# Altium PCB Deneigus.PcbDoc
Units mil, origin at the board's own origin, x right, y up, seen from the top; angles counter-clockwise.
Board outline 14075 x 10200 mil, 4 copper layers (Top, Ground Plane, Power Plane, Bottom), stack 71.26 mil thick; 170 components, 164 nets, 840 pads, 0 vias.
Unrouted connection lines stored in the file: 403.
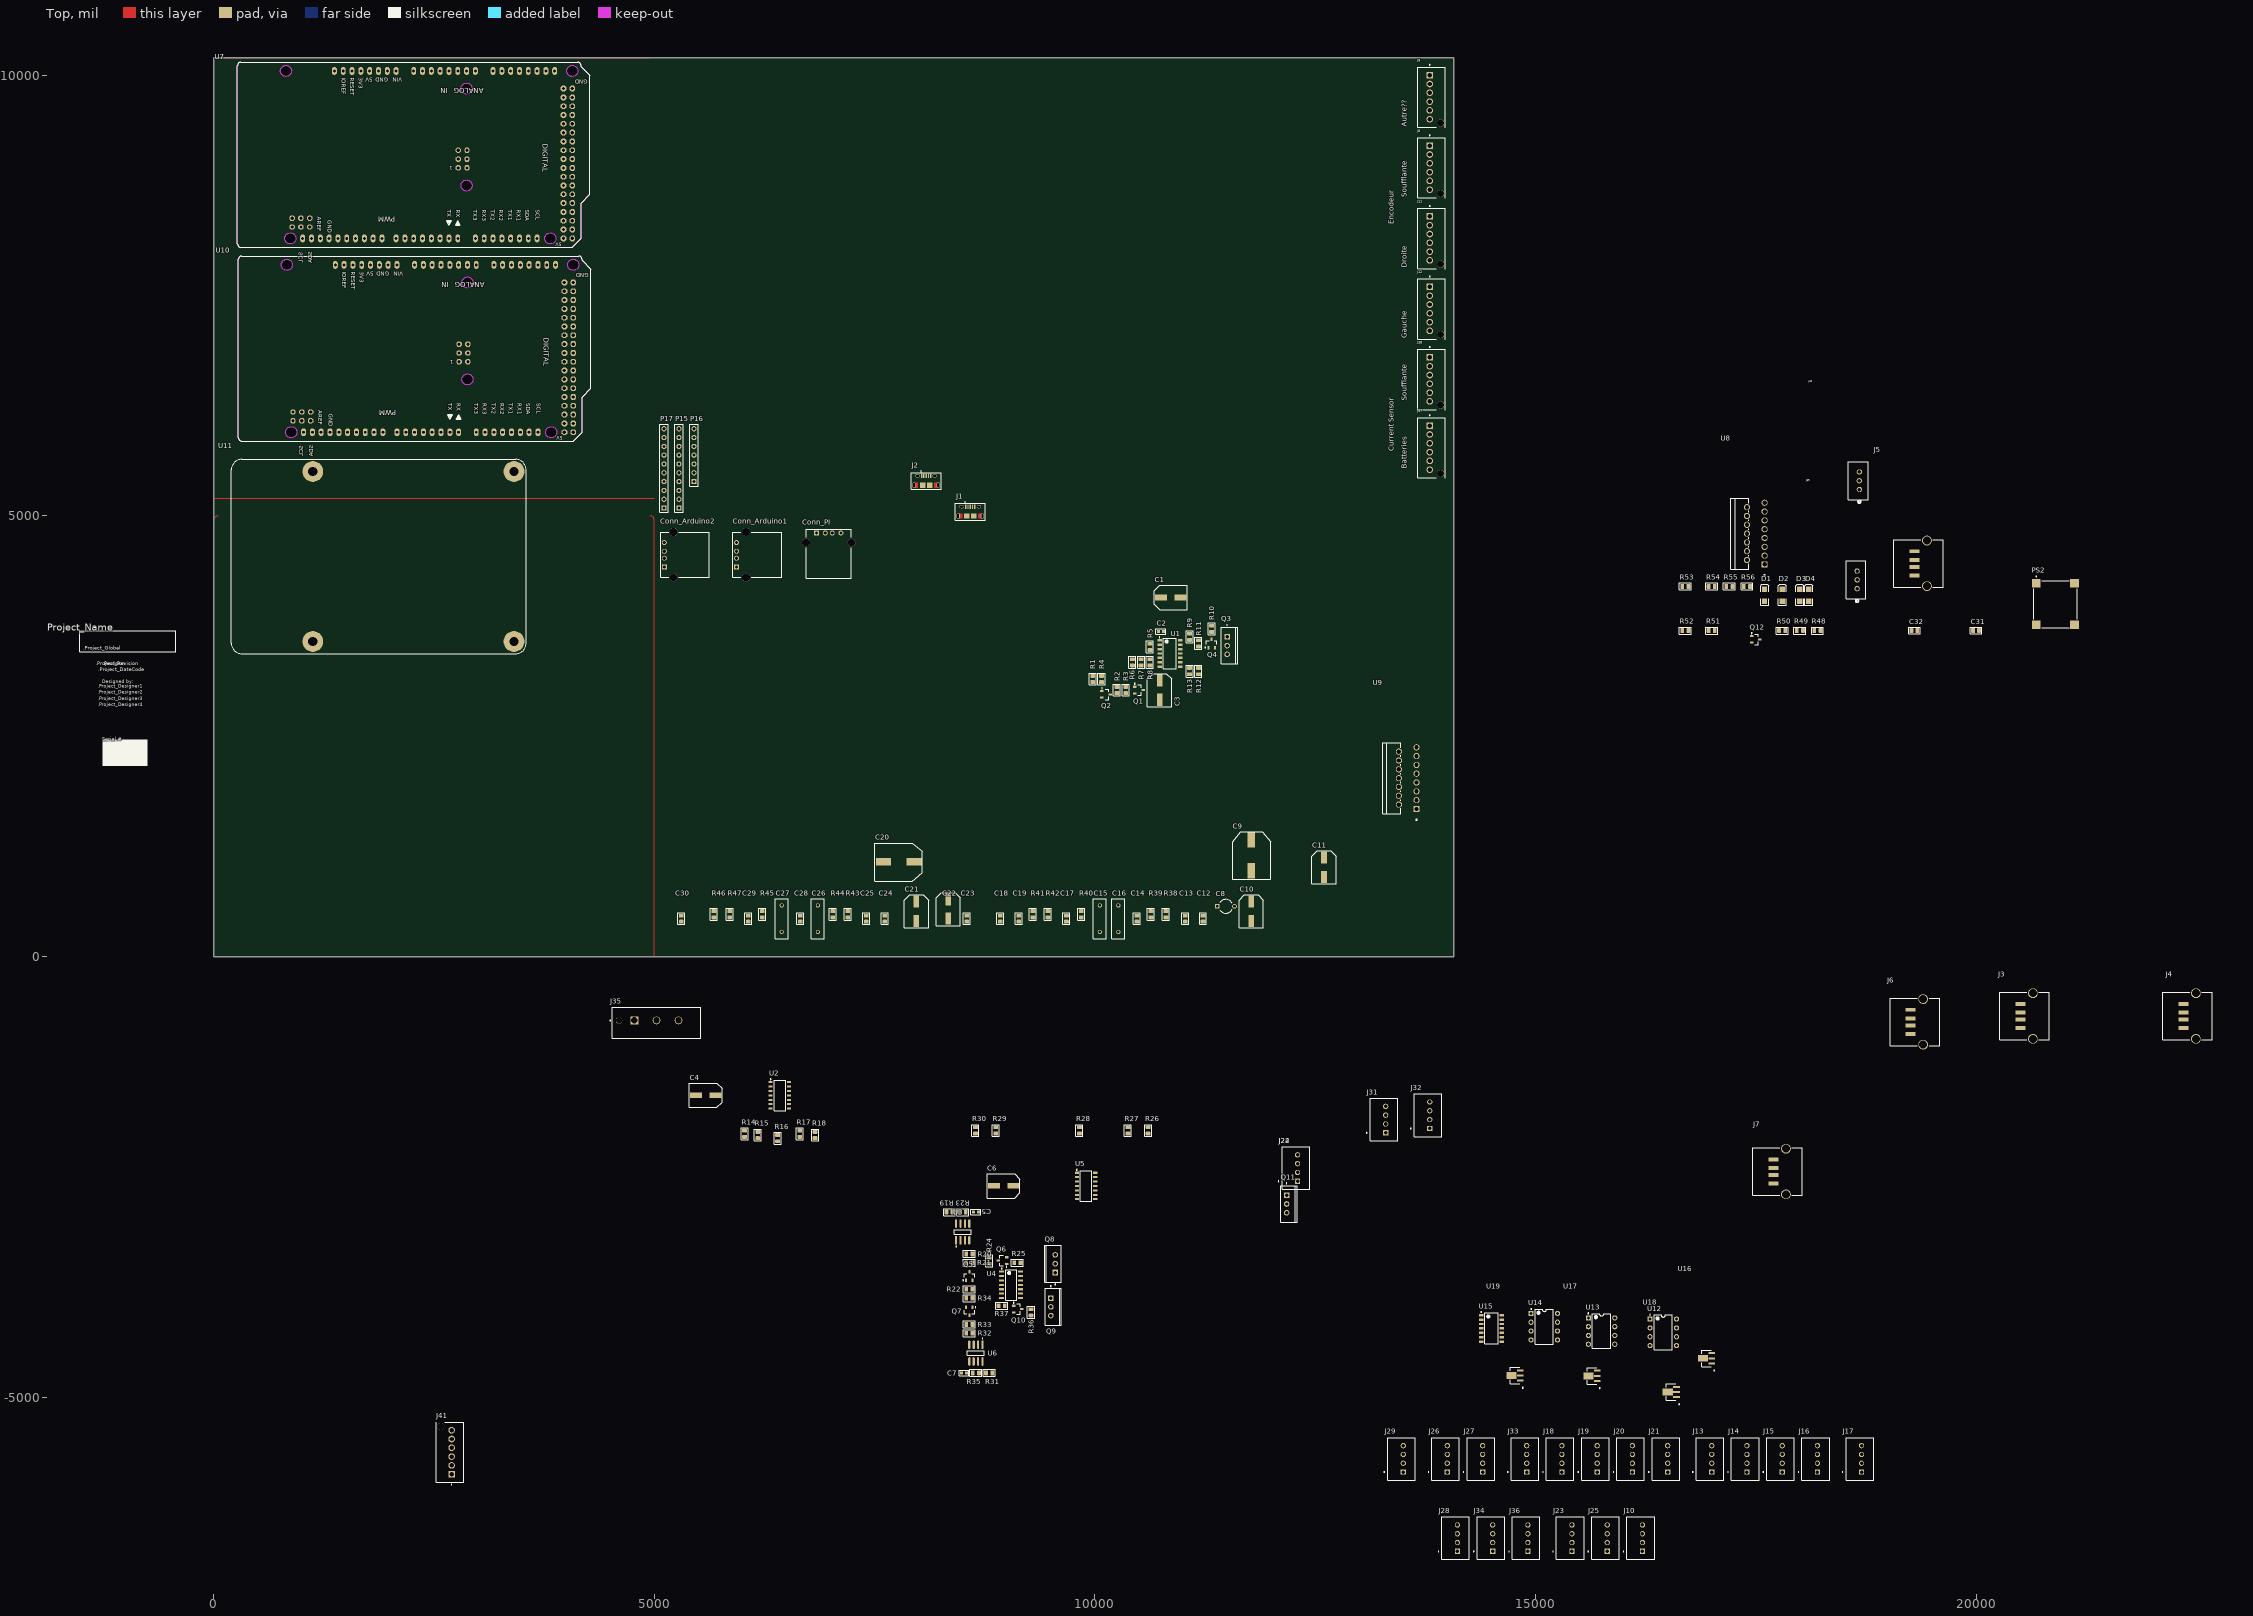
[diagram p0: Top view]
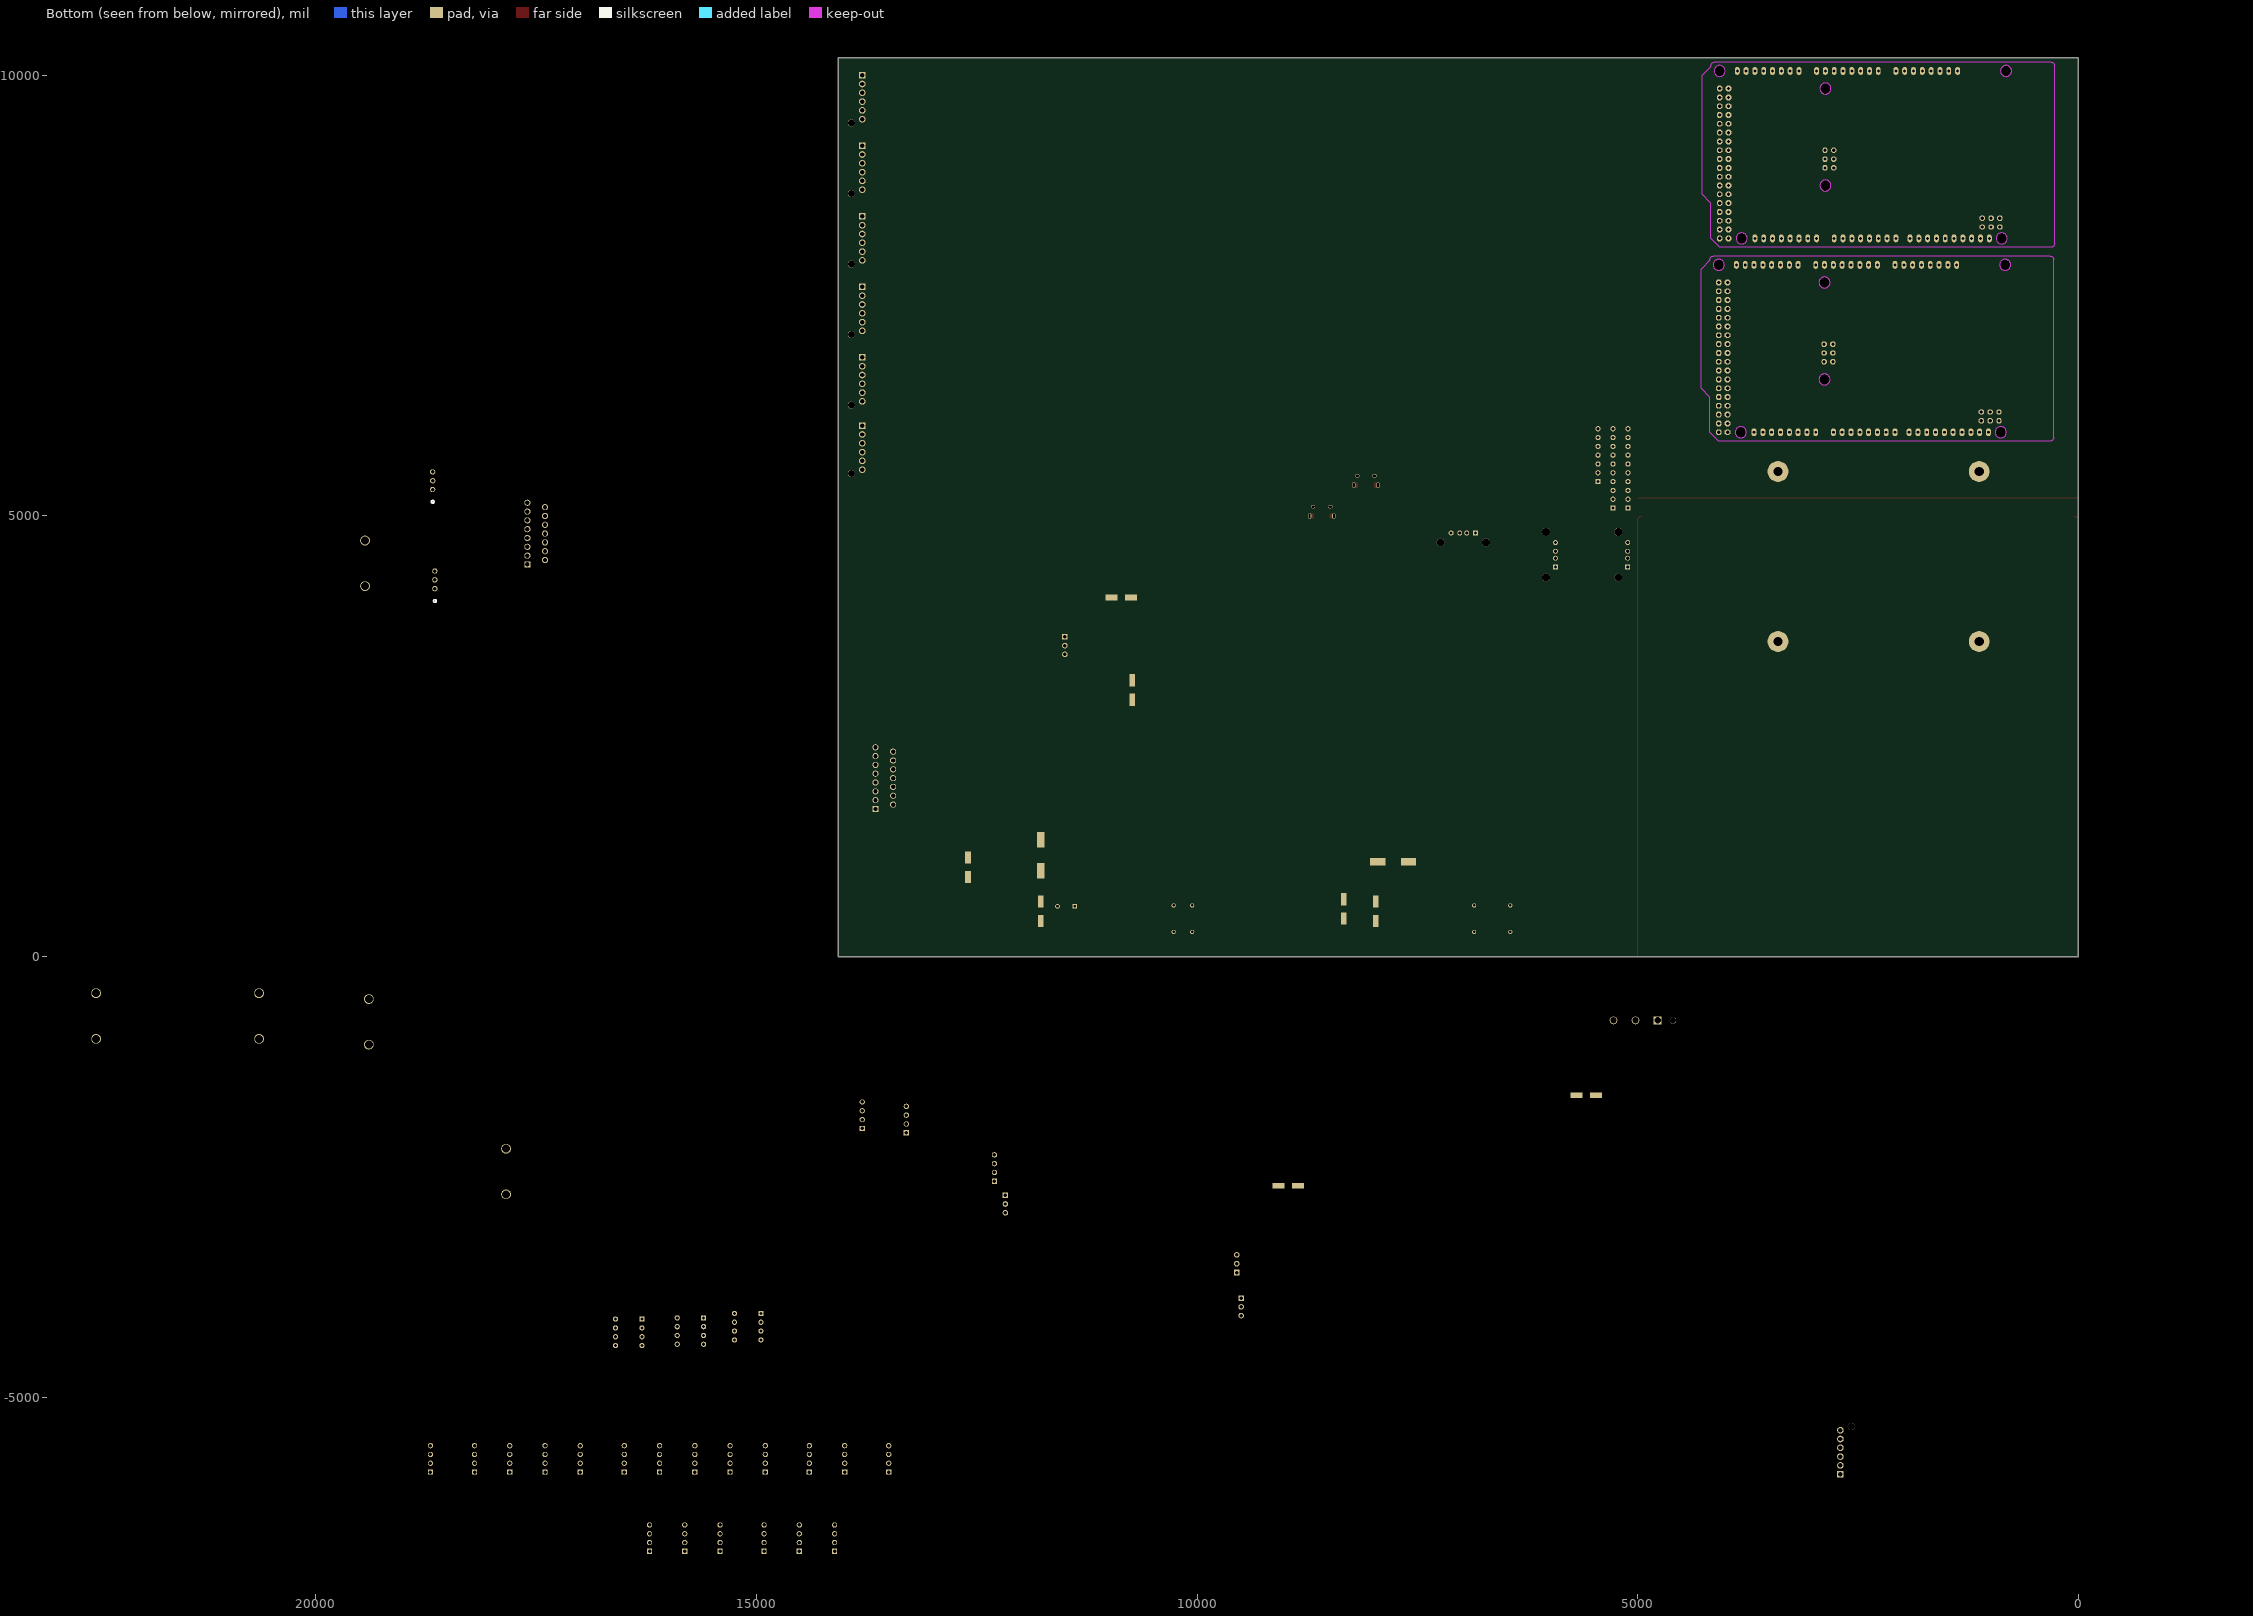
[diagram p1: Bottom view, seen from below]
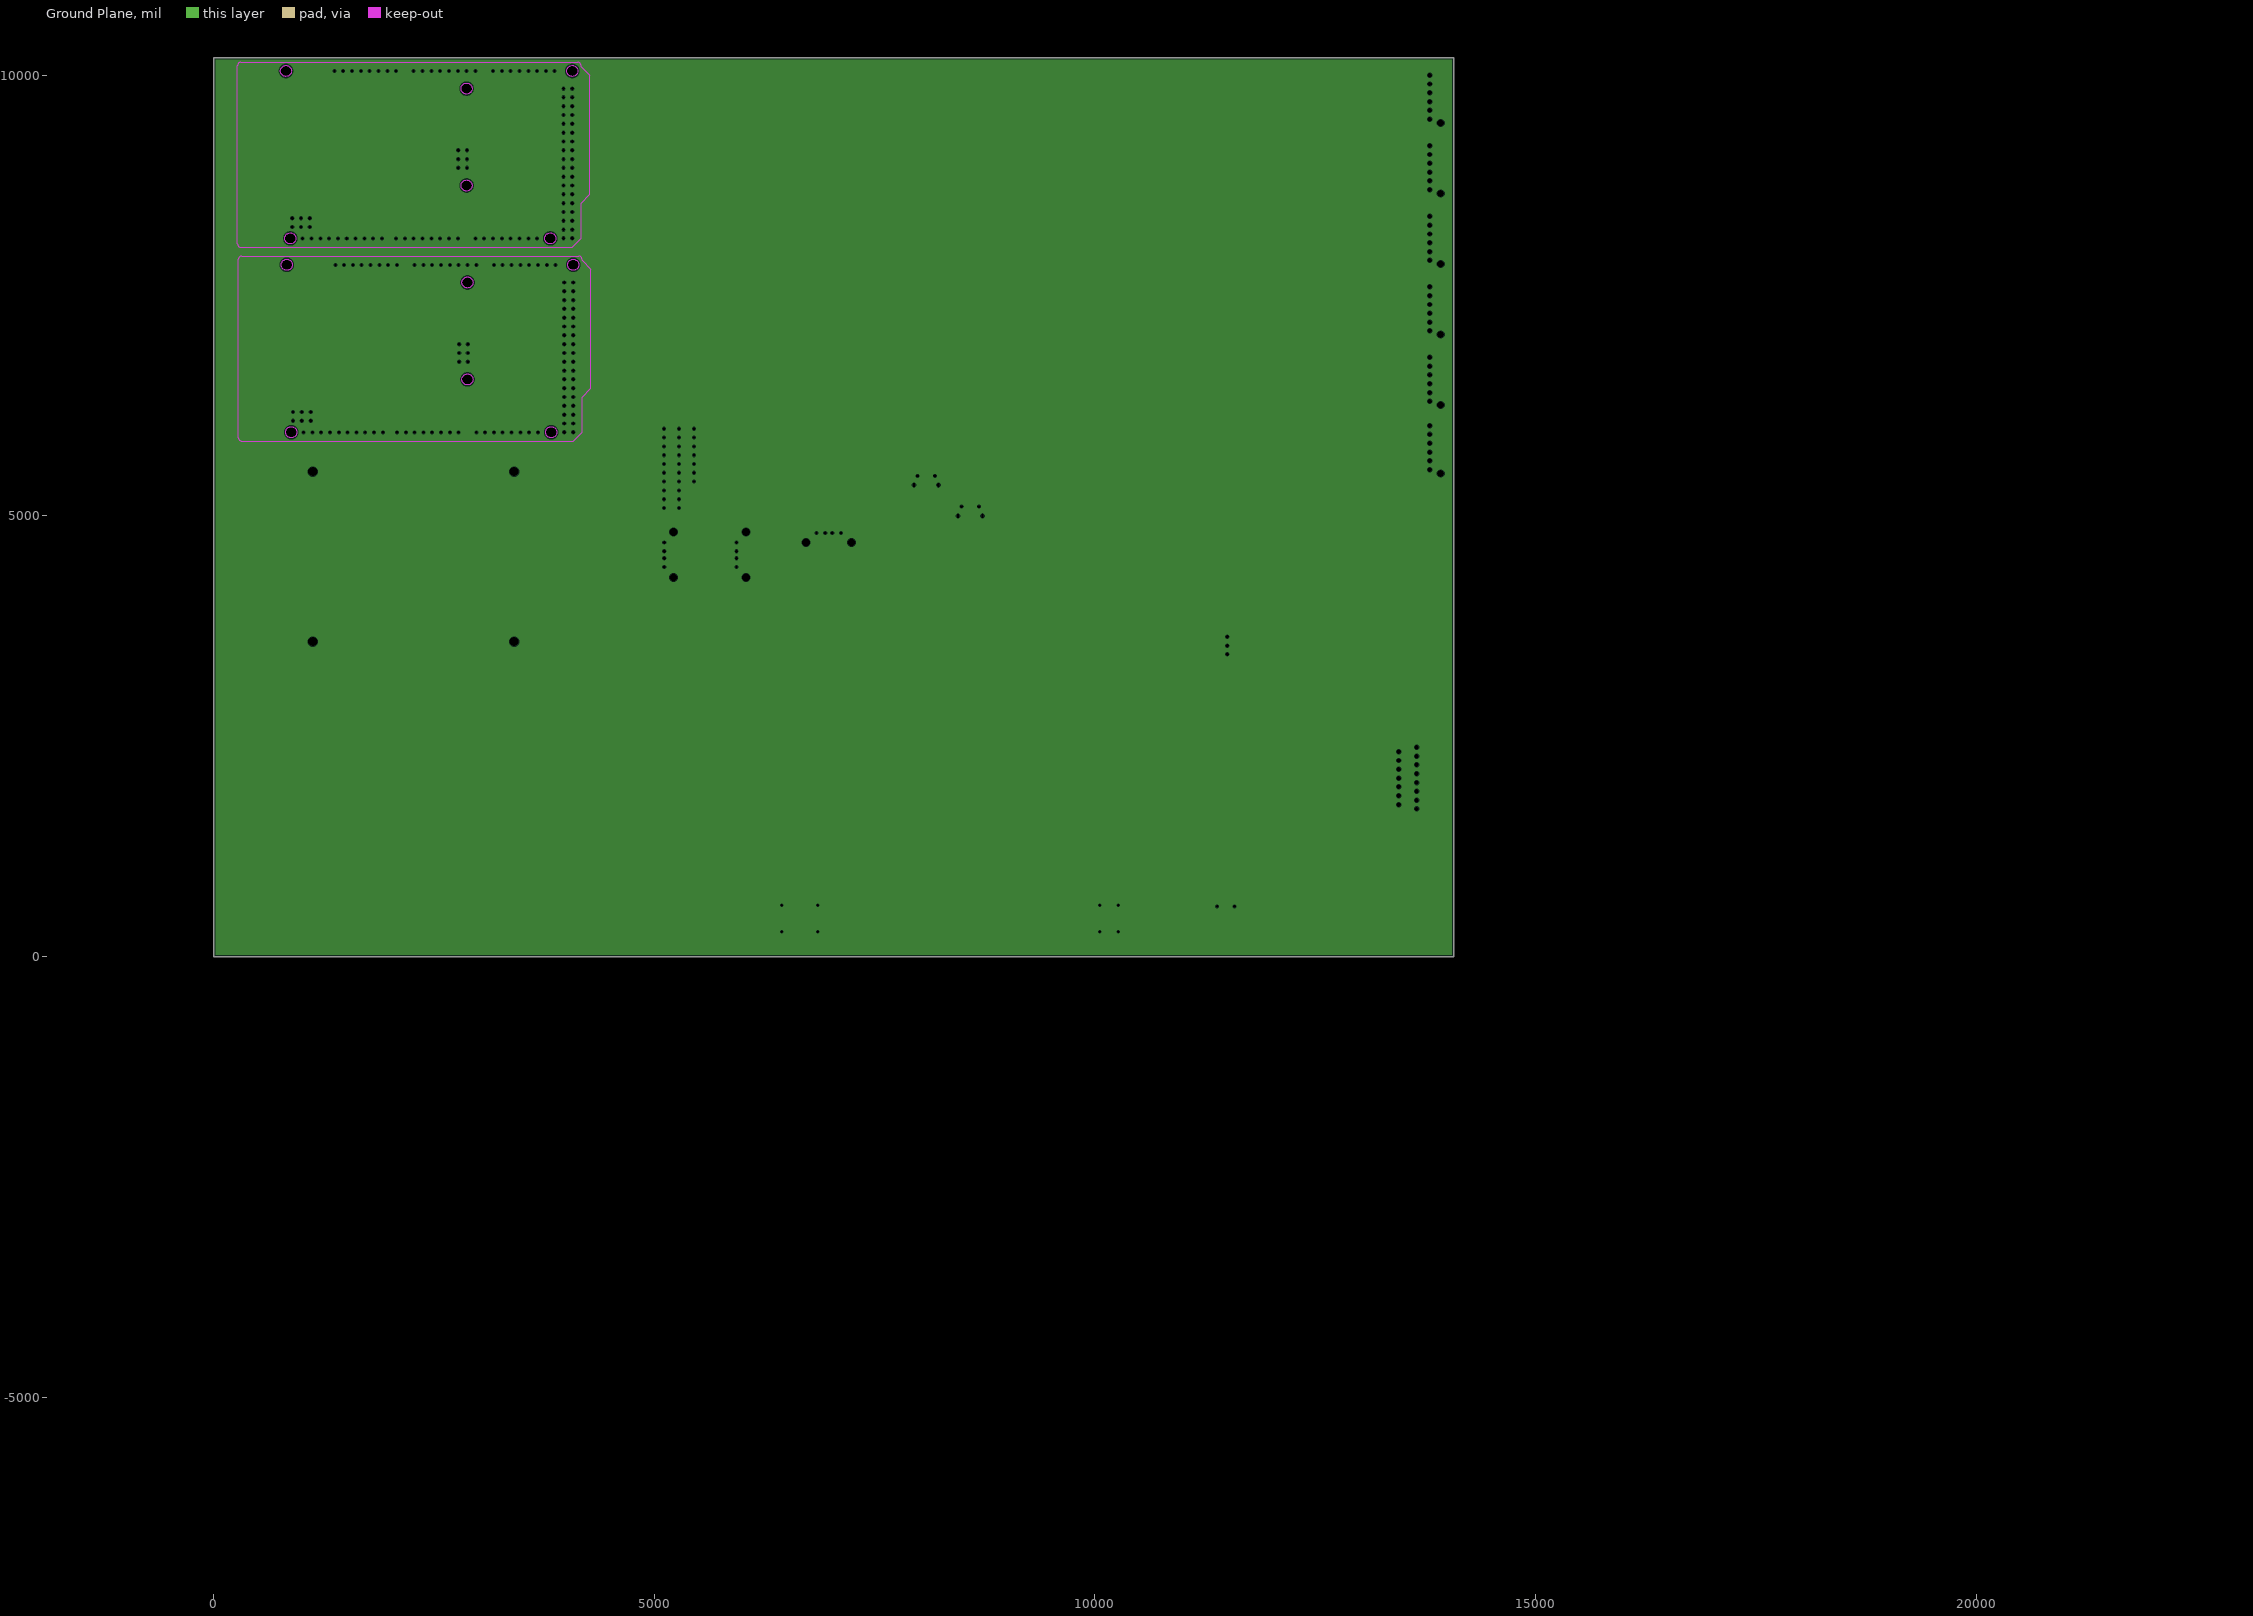
[diagram p2: Ground Plane, clearances drawn from the general rule]
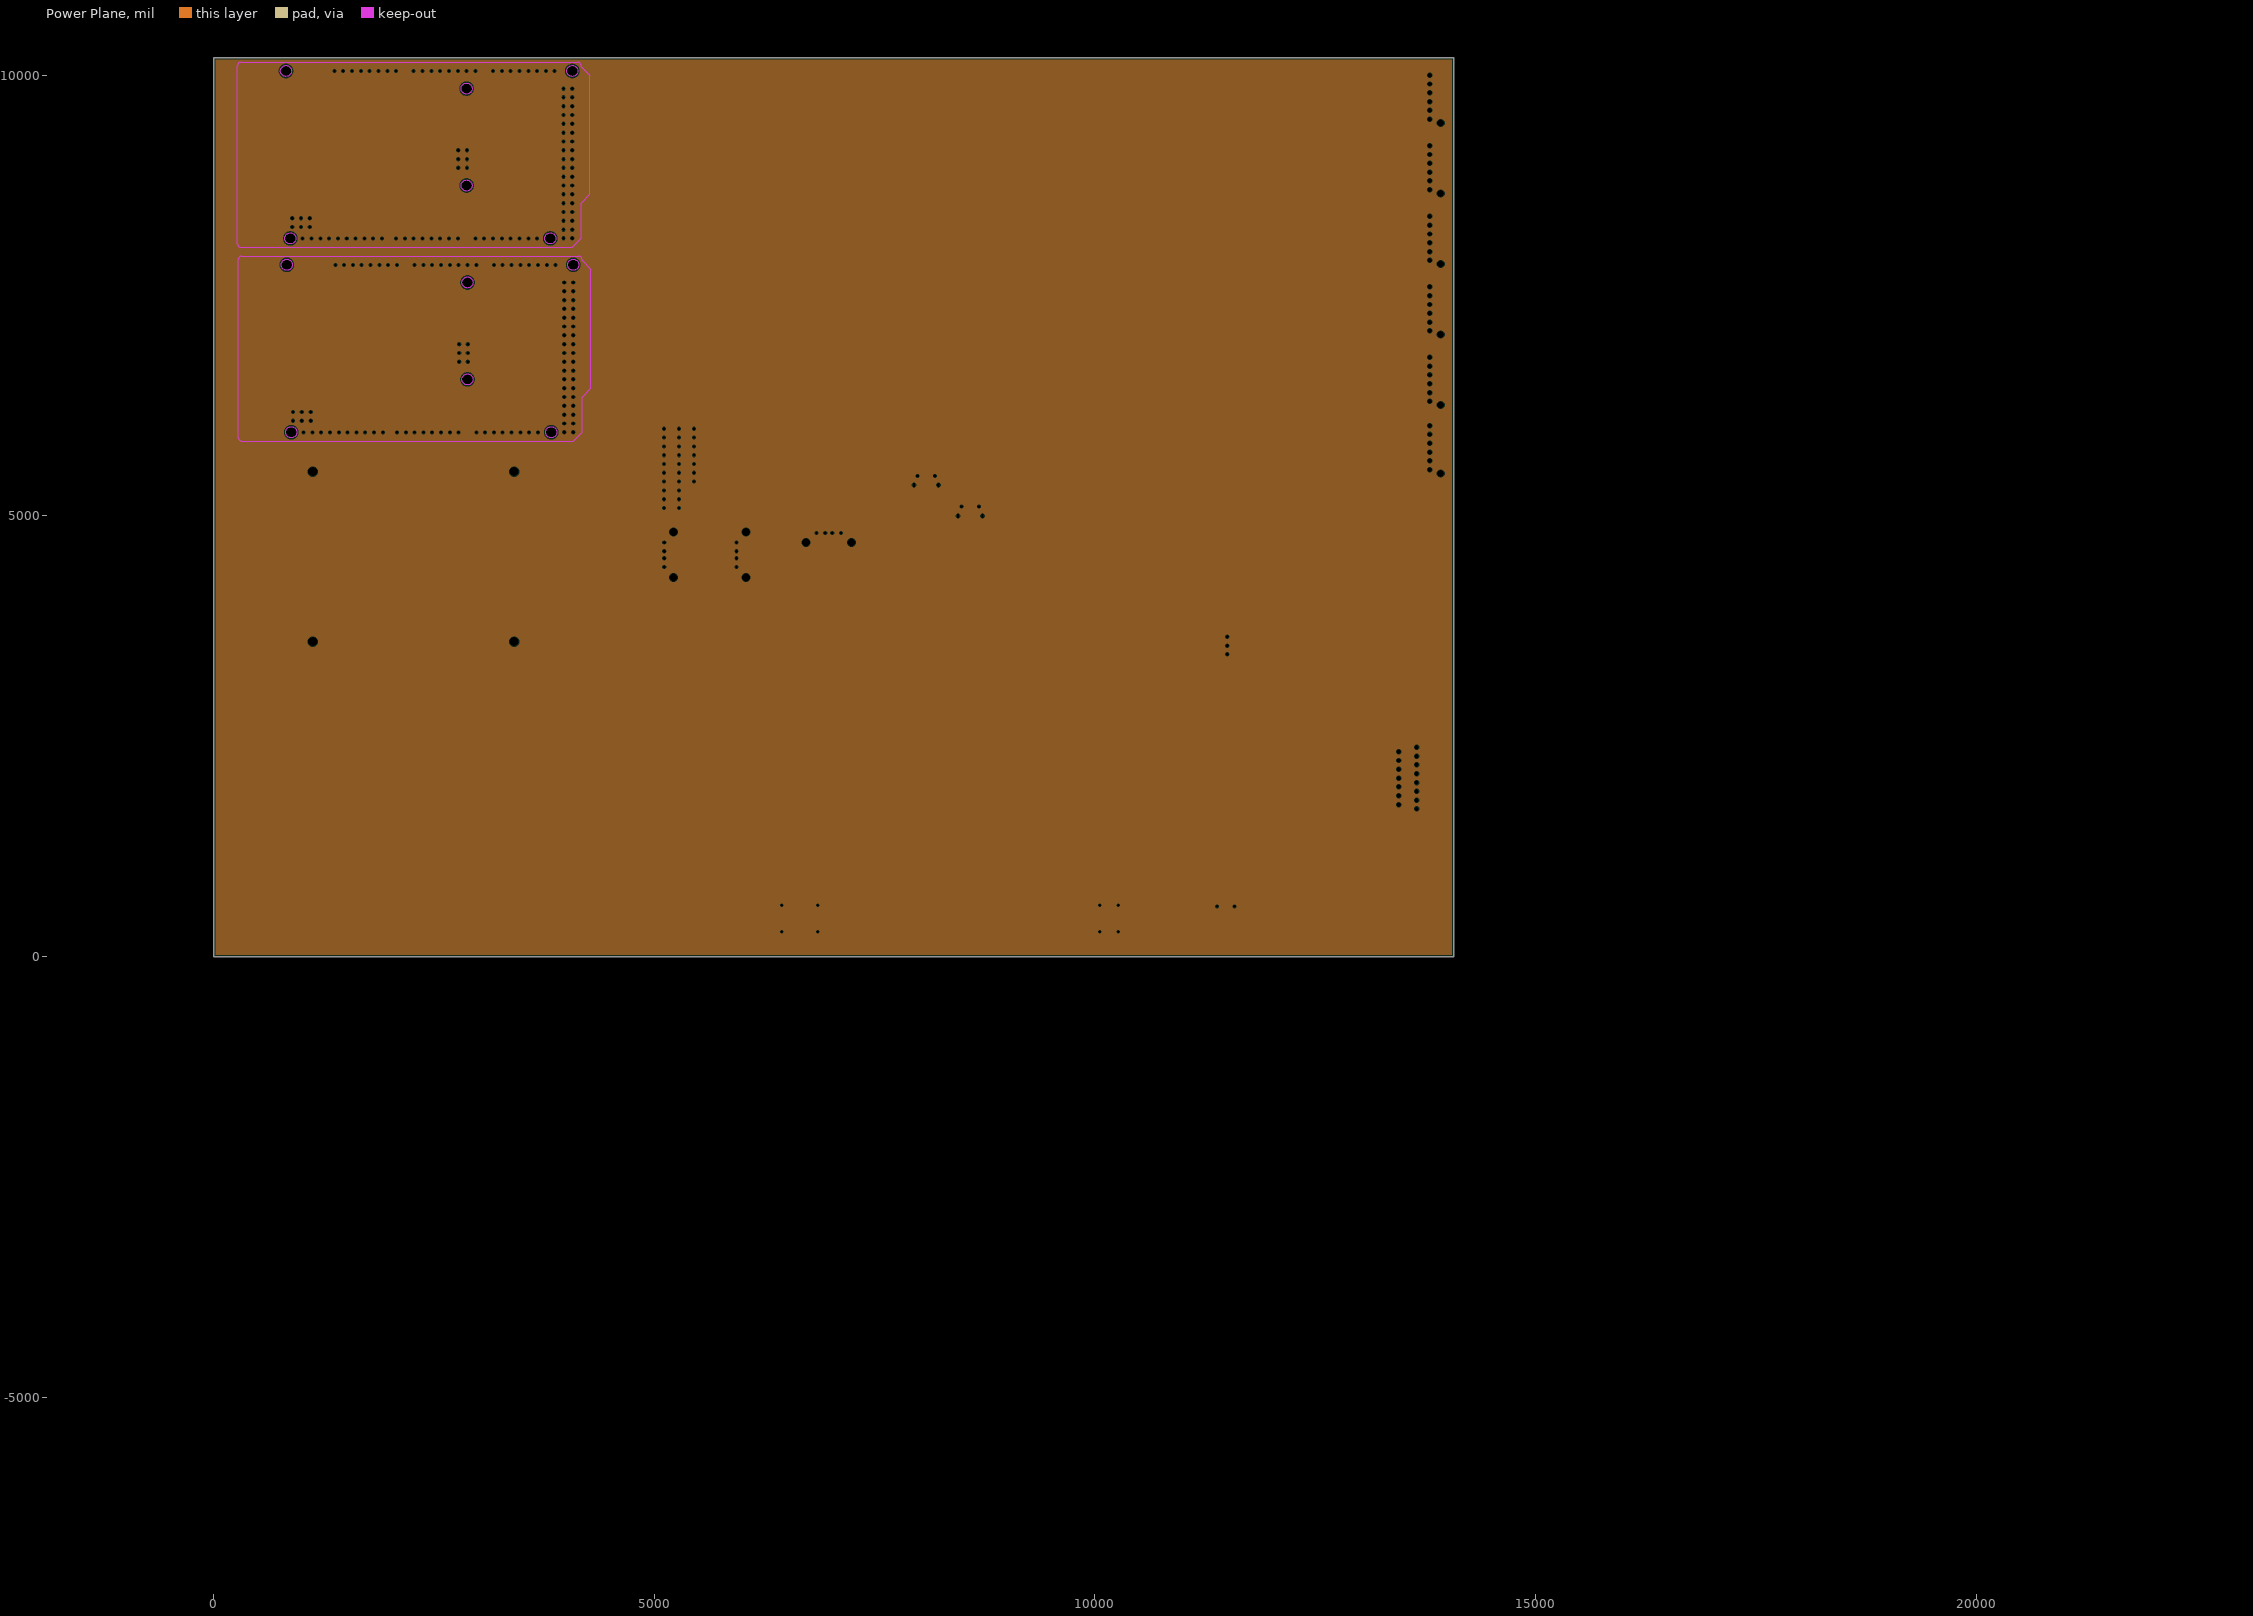
[diagram p3: Power Plane, clearances drawn from the general rule]

## Layer stack, top to bottom
Top Solder: solder mask 0.4, Solder Resist, Dk 3.5
Top: signal copper 2.7559
Dielectric 1: prepreg 7.874, FR-4, Dk 4.2
Ground Plane: plane copper 1.378
Dielectric 3: core 47.244, Dk 4.2
Power Plane: plane copper 1.378
Dielectric 4: prepreg 7.874, Dk 4.2
Bottom: signal copper 2.7559
Bottom Solder: solder mask 0.4, Solder Resist, Dk 3.5

## Board outline
0,0 0,10200 14075,10200 14075,9600 14075,0

## Design rules (kind name [scope] priority, off if disabled: settings)
Clearance [All] p1: gap=6 ignorepadtopadclearanceinfootprint=FALSE except(0: Arc-Hole Track-Hole SMDPad-Hole THPad-Hole Via-Hole Fill-Hole Poly-Hole Region-Hole Text-Hole)
ComponentClearance [All] p1: gap=4 collisioncheckmode=3 verticalgap=4 showdistances=FALSE
HoleSize [All] p1: absolutevalues=TRUE maxlimit=1000 minlimit=4 maxpercent=80.000 minpercent=20.000
HoleToHoleClearance [All] p1: gap=10 allowstackedmicrovias=FALSE
MinimumSolderMaskSliver [All] p1: minsoldermaskwidth=4
PlaneClearance [All] p1: clearance=6
PlaneConnect [All] p1: pad.planeconnectstyle=Relief pad.reliefexpansion=20 pad.reliefentries=4 pad.reliefconductorwidth=10 pad.reliefairgap=10 via.planeconnectstyle=Direct via.reliefexpansion=20 via.reliefentries=4 via.reliefconductorwidth=10 via.reliefairgap=10
PolygonConnect [All] p1: thpad.connectstyle=Relief thpad.reliefconductorwidth=10 thpad.reliefentries=4 thpad.polygonreliefangle="90 Angle" thpad.airgapwidth=10 smdpad.connectstyle=Direct smdpad.reliefconductorwidth=10 smdpad.reliefentries=4 smdpad.polygonreliefangle="90 Angle" smdpad.airgapwidth=10 via.connectstyle=Direct via.reliefconductorwidth=10 via.reliefentries=4 via.polygonreliefangle="90 Angle" via.airgapwidth=10
RoomDefinition Deneigus_BMS [InComponentClass('Deneigus_BMS')] p1: confinementstyle=ConfineIn formatcopy=TRUE lockcomponents=FALSE outline -20000,-20000 -18000,-20000 -18000,-19000 -20000,-19000
RoomDefinition Deneigus_Controle_Deplacement [InComponentClass('Deneigus_Controle_Deplacement')] p2 off: confinementstyle=ConfineIn formatcopy=TRUE lockcomponents=FALSE outline 4995,-5887.27 11175,-5887.27 11175,-1137.27 4995,-1137.27
RoomDefinition Deneigus_Servo [InComponentClass('Deneigus_Servo')] p3 off: confinementstyle=ConfineIn formatcopy=TRUE lockcomponents=FALSE outline 8640,-275 15850,-275 15850,305 8640,305
RoomDefinition Deneigus_Controle_Soufflante [InComponentClass('Deneigus_Controle_Soufflante')] p4 off: confinementstyle=ConfineIn formatcopy=TRUE lockcomponents=FALSE outline 9850,2700 11825,2700 11825,4400 9850,4400
RoutingVias [All] p1: holewidth=10 width=20 viastyle="Through Hole" minholewidth=10 minwidth=20 maxholewidth=10 maxwidth=20
SilkToSilkClearance [All] p1: silktosilkclearance=4
SilkToSolderMaskClearance [IsPad] p1: minsilkscreentomaskgap=2 clearancetoexposedcopper=FALSE
SolderMaskExpansion [All] p1: expansion=2 istentingtop=FALSE
Width [All] p1: maxlimit=1000 minlimit=4 preferedwidth=6
22 further rules are at their usual default settings.

## Classes and differential pairs
component class Deneigus_BMS: J35 Q11
component class Deneigus_Servo: C8 C9 C10 C11 C12 C13 C14 C15 C16 C17 C18 C19 C20 C21 C22 C23 C24 C25 C26 C27 C28 C29 C30 J39 J40 R38 R39 R40 R41 R42 R43 R44 R45 R46 R47 U8 U9 U?
component class Deneigus_Sensors: J8 J9 J10 J11 J12 J13 J14 J15 J16 J17 J18 J19 J20 J21 J22 J23 J24 J25 J26 J27 J28 J33 J34 J36 J37 J38 J41 P15 P16 P17 U16 U17 U18 U19
component class Deneigus_POWER: Conn_Arduino1 Conn_Arduino2 Conn_PI J1 J2
component class Deneigus_PI_Arduino: D1 D2 D3 D4 J3 J4 J5 J6 J7 R53 R54 R55 R56 U7 U10 U11
component class Deneigus_Controle_Soufflante: C1 C2 C3 C31 C32 PS2 Q1 Q2 Q3 Q4 Q12 R1 R2 R3 R4 R5 R6 R7 R8 R9 R10 R11 R12 R13 R48 R49 R50 R51 R52 U1 U12 U13 U14 U15
component class Deneigus_Controle_Deplacement: C4 C5 C6 C7 J31 J32 Q5 Q6 Q7 Q8 Q9 Q10 R14 R15 R16 R17 R18 R19 R20 R21 R22 R23 R24 R25 R26 R27 R28 R29 R30 R31 R32 R33 R34 R35 R36 R37 U2 U3 U4 U5 U6
